# KiCad board microcontroller_mini.kicad_pcb
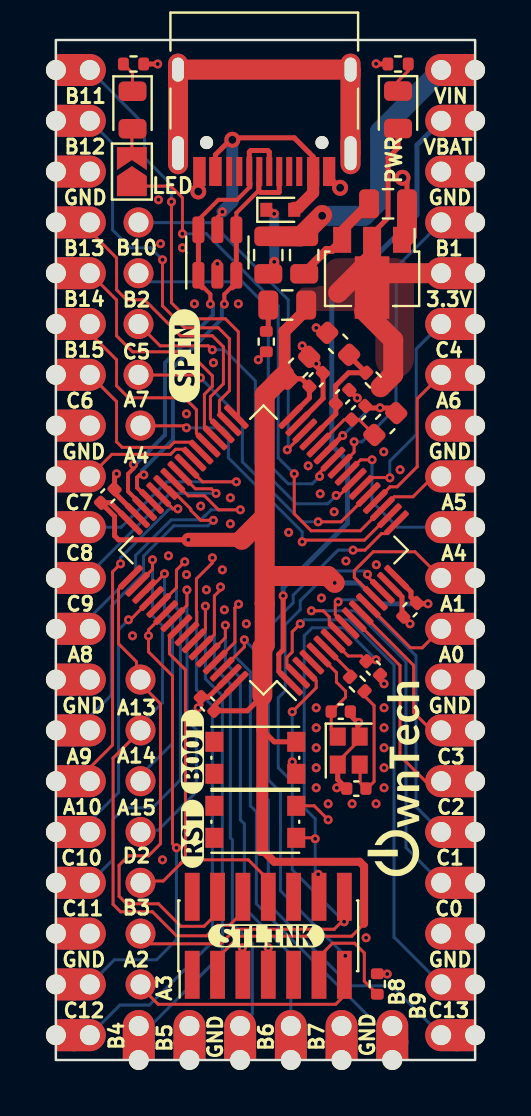
[diagram p0: board, top side]
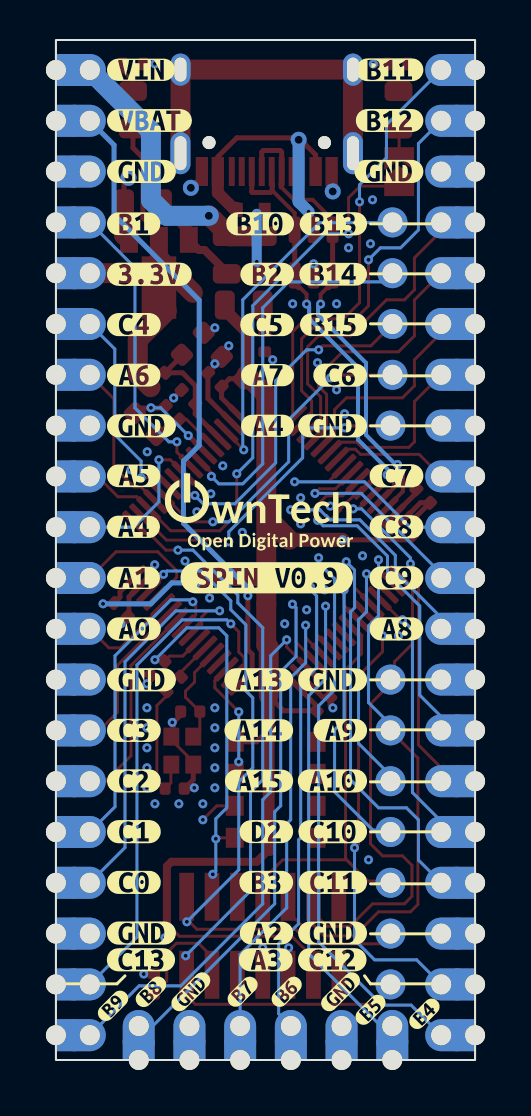
[diagram p1: board, bottom side, seen from below]

Outline 21 x 51 mm; copper layers: Top, In1.Cu, In2.Cu, Bottom. Coordinates in mm from the lower left corner of the outline.
Outline path: rectangle 0,51 21,0
Stack: Top 0.035mm / dielectric 0.1mm FR4 er 4.5 / In1.Cu 0.0175mm / dielectric 1.265mm FR4 er 4.5 / In2.Cu 0.0175mm / dielectric 0.1mm FR4 er 4.5 / Bottom 0.035mm

## Placement (name value [footprint] x y rotation side)
C3  12pF  [C_0402_1005Metric]  14.27 17.42 0 top
C4  12pF  [C_0402_1005Metric]  15.05 13.57 180 top
C5  100nF  [C_0402_1005Metric]  15.9 19.6 315 top
C6  4,7uF  [C_0603_1608Metric]  12.14 34.61 45 top
C7  100nF  [C_0402_1005Metric]  2.6 28.2 45 top
C8  100nF  [C_0402_1005Metric]  7.6 17.8 135 top
C9  100nF  [C_0402_1005Metric]  17.74 22.51 225 top
C10  100nF  [C_0402_1005Metric]  13.04 34.01 45 top
C12  1µF  [C_0603_1608Metric]  14.14 35.81 135 top
C14  10nF  [C_0402_1005Metric]  14.36 33.16 45 top
C39  10uF  [C_0805_2012Metric]  11.59 37.75 180 top
C40  10uF  [C_0805_2012Metric]  16.64 42.81 0 top
C41  1µF  [C_0603_1608Metric]  16.5 31.8 45 top
C42  100nF  [C_0402_1005Metric]  15.16 32.36 45 top
D1  1N4448  [D_SOD-523]  11.24 42.51 0 top
F1  350mA  [Fuse_0805_2012Metric]  12.44 40.25 90 top
F2  350mA  [Fuse_0805_2012Metric]  10.64 40.25 270 top
FB1  1000Ohm @ 100MHz  [R_0402_1005Metric]  15.9 34 315 top
G***  LOGO  [owntech_mini]  16.94 14.01 90 top
G***#2  LOGO  [owntech10mm]  10.84 27.41 180 bottom
J1  Conn_02x20_Top_Bottom  [RasberryPi Pico]  0 0 90 top
J2  USB_C_Receptacle_USB2.0  [USB_C_Receptacle_HRO_TYPE-C-31-M-12]  10.44 48.47 180 top
J8  FTSH-107-01-F-DV-K  [PinHeader_2x07_P1.27mm_Vertical_SMD]  10.64 6.21 90 top
J101  Conn_01x05_Male  [PinHeader_1x05_P2.54mm_Vertical]  4.14 31.72 180 top
J102  Conn_01x06_Male  [PinHeader_1x07_P2.54mm_Vertical]  4.24 19.02 0 top
JP1  SolderJumper_2_Bridged  [SolderJumper-2_P1.3mm_Open_TrianglePad1.0x1.5mm]  3.81 44.42 90 top
kibuzzard-62C86A6F  G***  [kibuzzard-62C86A6F]  2.54 2.31 135 bottom
kibuzzard-62C86A9B  G***  [kibuzzard-62C86A9B]  5.24 2.51 135 bottom
kibuzzard-62C86AA4  G***  [kibuzzard-62C86AA4]  14.24 3.41 135 bottom
kibuzzard-62C86AA4#2  G***  [kibuzzard-62C86AA4]  6.74 3.41 135 bottom
kibuzzard-62C86AAB  G***  [kibuzzard-62C86AAB]  9.44 3.41 135 bottom
kibuzzard-62C86AB2  G***  [kibuzzard-62C86AB2]  11.65 3.41 135 bottom
kibuzzard-62C86ABB  G***  [kibuzzard-62C86ABB]  16.24 3.41 135 bottom
kibuzzard-62C86AC0  G***  [kibuzzard-62C86AC0]  18.14 2.71 135 bottom
kibuzzard-62C863A5  G***  [kibuzzard-62C863A5]  4.28 46.97 180 bottom
kibuzzard-62C863AC  G***  [kibuzzard-62C863AC]  7.1 41.81 180 bottom
kibuzzard-62C863B3  G***  [kibuzzard-62C863B3]  10.77 41.81 180 bottom
kibuzzard-62C863BD  G***  [kibuzzard-62C863BD]  7.11 39.29 180 bottom
kibuzzard-62C863C4  G***  [kibuzzard-62C863C4]  10.41 39.29 180 bottom
kibuzzard-62C863D6  G***  [kibuzzard-62C863D6]  7.09 36.77 180 bottom
kibuzzard-62C863DD  G***  [kibuzzard-62C863DD]  10.42 36.77 180 bottom
kibuzzard-62C863E7  G***  [kibuzzard-62C863E7]  6.76 34.24 180 bottom
kibuzzard-62C863ED  G***  [kibuzzard-62C863ED]  10.4 34.24 180 bottom
kibuzzard-62C863F3  G***  [kibuzzard-62C863F3]  10.4 31.71 180 bottom
kibuzzard-62C863FB  G***  [kibuzzard-62C863FB]  3.94 29.21 180 bottom
kibuzzard-62C864F6  G***  [kibuzzard-62C864F6]  17.11 24.11 180 bottom
kibuzzard-62C8630E  G***  [kibuzzard-62C8630E]  16.31 46.97 180 bottom
kibuzzard-62C8632C  G***  [kibuzzard-62C8632C]  16.32 39.29 180 bottom
kibuzzard-62C8633C  G***  [kibuzzard-62C8633C]  17.1 34.24 180 bottom
kibuzzard-62C8635A  G***  [kibuzzard-62C8635A]  17.09 21.55 180 bottom
kibuzzard-62C8636A  G***  [kibuzzard-62C8636A]  17.09 13.95 180 bottom
kibuzzard-62C8637B  G***  [kibuzzard-62C8637B]  17.09 8.88 180 bottom
kibuzzard-62C8639B  G***  [kibuzzard-62C8639B]  4.28 49.51 180 bottom
kibuzzard-62C8640E  G***  [kibuzzard-62C8640E]  3.94 21.55 180 bottom
kibuzzard-62C8641D  G***  [kibuzzard-62C8641D]  10.84 16.48 180 bottom
kibuzzard-62C8642B  G***  [kibuzzard-62C8642B]  10.46 11.42 180 bottom
kibuzzard-62C8643D  G***  [kibuzzard-62C8643D]  10.49 5.01 180 bottom
kibuzzard-62C86036  G***  [kibuzzard-62C86036]  6.44 35.21 90 top
kibuzzard-62C86188  G***  [kibuzzard-62C86188]  10.44 24.11 180 bottom
kibuzzard-62C86242  G***  [kibuzzard-62C86242]  6.84 15.41 90 top
kibuzzard-62C86250  G***  [kibuzzard-62C86250]  6.84 11.31 90 top
kibuzzard-62C86302  G***  [kibuzzard-62C86302]  16.74 49.51 180 bottom
kibuzzard-62C86317  G***  [kibuzzard-62C86317]  7.14 6.35 180 bottom
kibuzzard-62C86317#2  G***  [kibuzzard-62C86317]  7.14 31.71 180 bottom
kibuzzard-62C86317#3  G***  [kibuzzard-62C86317]  16.71 19.01 180 bottom
kibuzzard-62C86317#4  G***  [kibuzzard-62C86317]  16.71 44.43 180 bottom
kibuzzard-62C86317#5  G***  [kibuzzard-62C86317]  16.71 6.35 180 bottom
kibuzzard-62C86317#6  G***  [kibuzzard-62C86317]  4.32 44.43 180 bottom
kibuzzard-62C86317#7  G***  [kibuzzard-62C86317]  16.71 31.71 180 bottom
kibuzzard-62C86317#8  G***  [kibuzzard-62C86317]  7.14 19.01 180 bottom
kibuzzard-62C86324  G***  [kibuzzard-62C86324]  17.1 41.81 180 bottom
kibuzzard-62C86335  G***  [kibuzzard-62C86335]  17.09 36.77 180 bottom
kibuzzard-62C86349  G***  [kibuzzard-62C86349]  17.1 29.21 180 bottom
kibuzzard-62C86353  G***  [kibuzzard-62C86353]  17.11 26.66 180 bottom
kibuzzard-62C86362  G***  [kibuzzard-62C86362]  17.09 16.48 180 bottom
kibuzzard-62C86371  G***  [kibuzzard-62C86371]  17.09 11.42 180 bottom
kibuzzard-62C86384  G***  [kibuzzard-62C86384]  16.74 5.01 180 bottom
kibuzzard-62C86401  G***  [kibuzzard-62C86401]  3.94 26.66 180 bottom
kibuzzard-62C86407  G***  [kibuzzard-62C86407]  3.94 24.11 180 bottom
kibuzzard-62C86415  G***  [kibuzzard-62C86415]  10.84 19.01 180 bottom
kibuzzard-62C86424  G***  [kibuzzard-62C86424]  10.82 13.95 180 bottom
kibuzzard-62C86431  G***  [kibuzzard-62C86431]  10.46 8.88 180 bottom
kibuzzard-62C86437  G***  [kibuzzard-62C86437]  10.45 6.35 180 bottom
kibuzzard-62C86450  G***  [kibuzzard-62C86450]  6.75 16.48 180 bottom
kibuzzard-62C86458  G***  [kibuzzard-62C86458]  7.15 13.95 180 bottom
kibuzzard-62C86461  G***  [kibuzzard-62C86461]  7.13 11.42 180 bottom
kibuzzard-62C86468  G***  [kibuzzard-62C86468]  7.13 8.88 180 bottom
kibuzzard-62C86470  G***  [kibuzzard-62C86470]  7.16 5.01 180 bottom
kibuzzard-62C87078  G***  [kibuzzard-62C87078]  10.54 6.21 0 top
LED1  LED  [LED_0805_2012Metric]  3.84 47.5 270 top
LED2  PWR  [LED_0805_2012Metric]  17.14 47.51 270 top
R1  1R  [R_0402_1005Metric]  10.54 35.92 90 top
R23  220  [R_0402_1005Metric]  15.1 18.8 135 top
R24  100  [R_0402_1005Metric]  16.1 3.8 270 top
R26  330  [R_0402_1005Metric]  17.14 49.8 180 top
R28  330  [R_0402_1005Metric]  3.89 49.8 0 top
SW1  KMR241NGLFS  [SW_Push_1P1T_NO_CK_KMR2#2]  9.99 11.91 0 top
SW2  KMR241NGLFS  [SW_Push_1P1T_NO_CK_KMR2]  9.99 15.11 180 top
U1  STM32G474RE  [LQFP-64_10x10mm_P0.5mm]  10.4 25.5 135 top
U3  WE-TVS-82400102  [SOT-23-6]  8.09 40.37 90 top
U4  AZ1117-33  [SOT-89-3]  15.84 39.36 270 top
Y1  ECS-240-8-37-CKM-TR3   - 24MHz  [Crystal_SMD_2016-4Pin_2.0x1.6mm]  14.67 15.47 270 top

## Library data of the parts
C3 C4 = -: Footprint-BOM: 0402; LCSC: C1547; Manf#: C0805C120K5HACTU
C5 C7-C10 C42 = -: Footprint-BOM: 0402; LCSC: C1525; Manf#: CC0805KRX7R9BB104
C6 = -: Footprint-BOM: 0603; LCSC: C19666; Manf#: CGA4J1X7R1H475K125AE
C12 C41 = -: Footprint-BOM: 0603; LCSC: C15849; Manf#: CL21B105KBFNFNE
C14 = -: Footprint-BOM: 0402; LCSC: C15195; Manf#: C0805X103K5RAC3316
C39 C40 = -: Footprint-BOM: 0805; LCSC: C15850; Manf#: CL32B106KBJZW6E
D1 = -: Footprint-BOM: SOD523; Manf#: 1N4448X-TP
F1 F2 = -: Footprint-BOM: 0805; Manf#: 0ZCK0035FF2G
FB1 = -: Footprint-BOM: 0402; Manf#: ILBB0805ER101V
J1 = -: DNP: x; Manf#: DNP; Name: Board Castellated Holes
J2 = -: LCSC: C165948; Manf#: USB4105-GF-A-120
J8 = -: Manf#: FTSH-107-01-F-DV-K; Name: STLink
J101 J102 JP1 = -: DNP: x; Manf#: DNP
LED1 LED2 = -: Footprint-BOM: 0805; LCSC: C84256; Manf#: 150080RS75000
R1 R24 = -: Footprint-BOM: 0402; LCSC: C25076; Manf#: CR0805-FX-1000ELF
R23 = -: Footprint-BOM: 0402; LCSC: C25091; Manf#: CRCW0805220RFKEAC
R26 R28 = -: Footprint-BOM: 0402; LCSC: C25104; Manf#: CRCW0805330RFKEAC
SW1 = -: Name: RST; Field6: RST
SW2 = -: Name: BOOT; Field6: BOOT
U1 = -: Footprint-BOM: LQFP-64; Manf#: STM32G474RET6
U3 = -: Footprint-BOM: SOT23-6; Manf#: 82400102
U4 = -: Footprint-BOM: SOT89-3; LCSC: C6186; Manf#: AZ1117CR-3.3TRG1; Field7: LDO
Y1 = -: Footprint-BOM: 2016; Manf#: ECS-240-8-37-CKM-TR3

## Footprints (pads in the part's own frame, mm; a bottom-side part is the same pattern mirrored in y, then rotated)
C_0402_1005Metric
  rrect 0.56x0.62 smd: 1(-0.48,0) 2(0.48,0)
C_0603_1608Metric
  rrect 0.9x0.95 smd: 1(-0.775,0) 2(0.775,0)
C_0805_2012Metric
  rrect 1x1.45 smd: 1(-0.95,0) 2(0.95,0)
Crystal_SMD_2016-4Pin_2.0x1.6mm
  rect 0.9x0.8 smd: 1(-0.7,-0.55) 2(0.7,-0.55) 3(0.7,0.55) 4(-0.7,0.55)
D_SOD-523
  rect 0.6x0.7 smd: 1(-0.7,0) 2(0.7,0)
Fuse_0805_2012Metric
  rrect 0.975x1.4 smd: 1(-0.938,0) 2(0.938,0)
LED_0805_2012Metric
  rrect 0.975x1.4 smd: 1(-0.938,0) 2(0.938,0)
LQFP-64_10x10mm_P0.5mm
  rrect 1.55x0.3 smd: 1(-5.675,3.75) 2(-5.675,3.25) 3(-5.675,2.75) 4(-5.675,2.25) 5(-5.675,1.75) 6(-5.675,1.25) 7(-5.675,0.75) 8(-5.675,0.25) 9(-5.675,-0.25) 10(-5.675,-0.75) 11(-5.675,-1.25) 12(-5.675,-1.75) 13(-5.675,-2.25) 14(-5.675,-2.75) 15(-5.675,-3.25) 16(-5.675,-3.75) 33(5.675,-3.75) 34(5.675,-3.25) 35(5.675,-2.75) 36(5.675,-2.25) 37(5.675,-1.75) 38(5.675,-1.25) 39(5.675,-0.75) 40(5.675,-0.25) 41(5.675,0.25) 42(5.675,0.75) 43(5.675,1.25) 44(5.675,1.75) 45(5.675,2.25) 46(5.675,2.75) 47(5.675,3.25) 48(5.675,3.75)
  rrect 0.3x1.55 smd: 17(-3.75,-5.675) 18(-3.25,-5.675) 19(-2.75,-5.675) 20(-2.25,-5.675) 21(-1.75,-5.675) 22(-1.25,-5.675) 23(-0.75,-5.675) 24(-0.25,-5.675) 25(0.25,-5.675) 26(0.75,-5.675) 27(1.25,-5.675) 28(1.75,-5.675) 29(2.25,-5.675) 30(2.75,-5.675) 31(3.25,-5.675) 32(3.75,-5.675) 49(3.75,5.675) 50(3.25,5.675) 51(2.75,5.675) 52(2.25,5.675) 53(1.75,5.675) 54(1.25,5.675) 55(0.75,5.675) 56(0.25,5.675) 57(-0.25,5.675) 58(-0.75,5.675) 59(-1.25,5.675) 60(-1.75,5.675) 61(-2.25,5.675) 62(-2.75,5.675) 63(-3.25,5.675) 64(-3.75,5.675)
PinHeader_1x05_P2.54mm_Vertical
  round 1.5 hole 1: 1(-0.1,0) 2(0,-2.54) 3(0,-5.08) 4(0,-7.62) 5(0,-10.16)
PinHeader_1x07_P2.54mm_Vertical
  round 1.5 hole 1: 1(0,0) 2(0,-2.54) 3(0,-5.08) 4(0,-7.62) 5(0,-10.16) 6(0,-12.7) 7(0,-15.24)
PinHeader_2x07_P1.27mm_Vertical_SMD
  rect 2.4x0.74 smd: 1(-1.95,3.81) 2(1.95,3.81) 3(-1.95,2.54) 4(1.95,2.54) 5(-1.95,1.27) 6(1.95,1.27) 7(-1.95,0) 8(1.95,0) 9(-1.95,-1.27) 10(1.95,-1.27) 11(-1.95,-2.54) 12(1.95,-2.54) 13(-1.95,-3.81) 14(1.95,-3.81)
R_0402_1005Metric
  rrect 0.54x0.64 smd: 1(-0.51,0) 2(0.51,0)
RasberryPi Pico
  rect 1.6x1 hole 1: 1(49.5,0) 2(46.96,0) 3(44.42,0) 4(41.88,0) 5(39.34,0) 6(36.8,0) 7(34.26,0) 8(31.72,0) 9(29.18,0) 10(26.64,0) 11(24.1,0) 12(21.56,0) 13(19.02,0) 14(16.48,0) 15(13.94,0) 16(11.4,0) 17(8.86,0) 18(6.32,0) 19(3.78,0) 20(1.24,0) 27(1.24,-21) 28(3.78,-21) 29(6.32,-21) 30(8.86,-21) 31(11.4,-21) 32(13.94,-21) 33(16.48,-21) 34(19.02,-21) 35(21.56,-21) 36(24.1,-21) 37(26.64,-21) 38(29.18,-21) 39(31.72,-21) 40(34.26,-21) 41(36.8,-21) 42(39.34,-21) 43(41.88,-21) 44(44.42,-21) 45(46.96,-21) 46(49.5,-21)
  oval 1.6x2.4 hole 1: 1(49.5,-1.7) 2(46.96,-1.7) 3(44.42,-1.7) 4(41.88,-1.7) 5(39.34,-1.7) 6(36.8,-1.7) 7(34.26,-1.7) 8(31.72,-1.7) 9(29.18,-1.7) 10(26.64,-1.7) 11(24.1,-1.7) 12(21.56,-1.7) 13(19.02,-1.7) 14(16.48,-1.7) 15(13.94,-1.7) 16(11.4,-1.7) 17(8.86,-1.7) 18(6.32,-1.7) 19(3.78,-1.7) 20(1.24,-1.7) 27(1.24,-19.3) 28(3.78,-19.3) 29(6.32,-19.3) 30(8.86,-19.3) 31(11.4,-19.3) 32(13.94,-19.3) 33(16.48,-19.3) 34(19.02,-19.3) 35(21.56,-19.3) 36(24.1,-19.3) 37(26.64,-19.3) 38(29.18,-19.3) 39(31.72,-19.3) 40(34.26,-19.3) 41(36.8,-19.3) 42(39.34,-19.3) 43(41.88,-19.3) 44(44.42,-19.3) 45(46.96,-19.3) 46(49.5,-19.3)
  rect 1x1.6 hole 1: 21(0,-4.15) 22(0,-6.69) 23(0,-9.23) 24(0,-11.77) 25(0,-14.31) 26(0,-16.85)
  oval 2.4x1.6 hole 1: 21(1.7,-4.15) 22(1.7,-6.69) 23(1.7,-9.23) 24(1.7,-11.77) 25(1.7,-14.31) 26(1.7,-16.85)
SolderJumper-2_P1.3mm_Open_TrianglePad1.0x1.5mm
  custom 1.5x1.5 smd: 1(-0.725,0)
  custom 1.15x1.5 smd: 2(0.725,0)
SOT-23-6
  rrect 1.325x0.6 smd: 1(-1.137,0.95) 2(-1.137,0) 3(-1.137,-0.95) 4(1.137,-0.95) 5(1.137,0) 6(1.137,0.95)
SOT-89-3
  rect 1.3x0.9 smd: 1(-1.65,1.5) 3(-1.65,-1.5)
  custom 4.6x1.733 smd: 2(-1.562,0)
SW_Push_1P1T_NO_CK_KMR2
  rect 0.9x1 smd: 1(-2.05,0.8) 2(-2.05,-0.8) 3(2.05,-0.8) 4(2.05,0.8)
SW_Push_1P1T_NO_CK_KMR2#2
  rect 0.9x1 smd: 1(2.05,0.8) 2(2.05,-0.8) 3(-2.05,-0.8) 4(-2.05,0.8)
USB_C_Receptacle_HRO_TYPE-C-31-M-12
  round 0.65 hole 0.65 unplated: (-2.89,2.6) (2.89,2.6)
  rect 0.6x1.45 smd: A1(-3.25,4.045) A4(-2.45,4.045) A9(2.45,4.045) A12(3.25,4.045) B1(3.25,4.045) B4(2.45,4.045) B9(-2.45,4.045) B12(-3.25,4.045)
  rect 0.3x1.45 smd: A5(-1.25,4.045) A6(-0.25,4.045) A7(0.25,4.045) A8(1.25,4.045) B5(1.75,4.045) B6(0.75,4.045) B7(-0.75,4.045) B8(-1.75,4.045)
  oval 1x2.1 hole 0.6x1.7: S1(-4.32,3.13) S1(4.32,3.13)
  oval 1x1.6 hole 0.6x1.2: S1(-4.32,-1.05) S1(4.32,-1.05)

## Nets
+3.3VA: C12.1 C14.1 FB1.1 U1.29
+3V3: C6.1 C7.1 C8.1 C9.1 C10.1 C39.1 FB1.2 J1.42 J8.3 LED2.2 SW2.2 U1.16 U1.32 U1.48 U1.64 U4.2
+5VD: F1.2 F2.1 J1.46
GNDD: C3.2 C4.2 C5.2 C6.2 C7.2 C8.2 C9.2 C10.2 C12.2 C14.2 C40.2 C41.2 C42.2 J1.3 J1.8 J1.13 J1.18 J1.22 J1.25 J1.29 J1.34 J1.39 J1.44 J2.A1 J2.A12 J2.B1 J2.B12 J8.5 J8.7 R1.1 R24.1 R26.2 R28.2 SW1.1 U1.15 U1.27 U1.31 U1.47 U1.63 U3.2 U4.1 Y1.2 Y1.4
VBUS: D1.2 J2.A4 J2.A9 J2.B4 J2.B9 U3.5
+BATT: J1.45 U1.1
/HSE_IN: C3.1 U1.5 Y1.1
/HSE_OUT: R23.2 U1.6
/NRST: C5.1 J8.12 SW1.2 U1.7
/VREF2048: C41.1 C42.1 U1.28
Earth_Protective: J2.S1
PA0: J1.35 U1.12
PA1: J1.36 U1.13
PA2: J8.14 J102.6 U1.14
PA3: J8.13 J102.7 U1.17
PA4: J101.1 U1.18
PA5: J1.38 JP1.1 U1.19
PA6: J1.40 U1.20
PA7: J101.2 U1.21
PA8: J1.12 U1.42
PA9: J1.14 U1.43
PA10: J1.15 U1.44
PA13: J8.4 J102.1 U1.49
PA14: J8.6 J102.2 U1.50
PA15: J102.3 U1.51
PB0: J1.37 U1.24
PB1: J1.43 U1.25
PB2: J101.4 U1.26
PB3: J8.8 J102.5 U1.56
PB4: J1.20 U1.57
PB5: J1.21 U1.58
PB6: J1.23 U1.59
PB7: J1.24 U1.60
PB8: J1.26 U1.61
PB9: J1.27 U1.62
PB10: J101.5 U1.30
PB11: J1.1 U1.33
PB12: J1.2 U1.34
PB13: J1.4 U1.35
PB14: J1.5 U1.36
PB15: J1.6 U1.37
PC0: J1.30 U1.8
PC1: J1.31 U1.9
PC2: J1.32 U1.10
PC3: J1.33 U1.11
PC4: J1.41 U1.22
PC5: J101.3 U1.23
PC6: J1.7 U1.38
PC7: J1.9 U1.39
PC8: J1.10 U1.40
PC9: J1.11 U1.41
PC10: J1.16 U1.52
PC11: J1.17 U1.53
PC12: J1.19 U1.54
PC13: J1.28 U1.2
PC14: SW2.1 U1.3
PD2: J102.4 U1.55
USB_D+: J2.A6 J2.B6 U1.46 U3.1 U3.6
USB_D-: J2.A7 J2.B7 U1.45 U3.3 U3.4
Net-(C4-Pad1): C4.1 R23.1 Y1.3
Net-(C39-Pad2): C39.2 R1.2
Net-(C40-Pad1): C40.1 F1.1 U4.3
Net-(D1-Pad1): D1.1 F2.2
Net-(J8-Pad11): J8.11 R24.2
Net-(JP1-Pad2): JP1.2 LED1.2
Net-(LED1-Pad1): LED1.1 R28.1
Net-(LED2-Pad1): LED2.1 R26.1

Pads without a net: J2 A5 A8 B5 B8; J8 1 2 9 10; SW1 3 4; SW2 3 4; U1 4

## Via types
v1: diameter 0.45, hole 0.2, Top to Bottom, 119 vias
v2: diameter 0.8, hole 0.4, Top to Bottom, 5 vias

## Routing (per net, layer and track width the routed paths; a pad name or vN(x,y) marks a point on that pad's centre or on a via; arc(x,y) is an arc through that point)
+3.3VA: length 6.3
  Top w0.25: 14.8,35.4 14.8,35.1 FB1.1 14.66,34.36 14.02,33.72 14.02,32.83 C14.1 14.02,32.3 U1.29
+3V3: length 95.8
  Top w0.15: 8.1,4.05 8.1,5.1 9.18,6.19 14.82,6.19 15.44,6.81
  Top w0.25: 10.34,16.51 10.94,15.91 SW2.2 ; 12.74,33.63 12.31,34.06 C6.1 ; FB1.2 16.54,33.64 16.9,34 ; U1.48 2.74,27.86 C7.1 2.94,27.18 2.94,26.21 3.14,26.01 v1(6.64,26.01) ; v1(18.64,22.81) 18.12,22.81 C9.1 17.79,23.14 17.79,23.41 U1.16 ; U4.2 15.84,41.31 16.64,42.11 16.64,45.11 17.14,45.61 LED2.2 16.91,46.57 16.72,46.38 ; U1.32 12.7,33.1 C10.1 ; 10.34,18.21 9.59,17.46 C8.1 7.94,17.71 9.04,18.81 U1.64
  Top w0.4: 10.24,10.41 10.44,10.41 10.94,9.91 15.22,9.91 15.44,9.69 15.44,6.81
  Top w0.6: 12.54,37.91 12.54,37.51 11.45,36.42 11.45,34.25 ; 10.34,18.21 10.34,10.51
  Top w0.7: 9.31,26.01 v1(6.64,26.01)
  Top w1: 10.3,27 9.31,26.01 ; 11.12,33.92 11.29,34.09 ; 11.12,33.92 10.46,33.26 10.46,22.83 10.46,22.82 10.46,20.75 10.34,20.63 10.34,18.21 ; 11.12,33.92 11.45,34.25 ; FB1.2 16.9,34.28 16.9,36 15.44,37.46 ; 14.14,38.36 15.74,39.96 ; v1(13.97,23.86) 13.62,24.2 10.7,24.2 ; J1.42 16.15,39.34
  Bottom w0.25: v1(13.97,23.86) 15.19,23.86 16.24,22.81 v1(18.64,22.81)
+5VD: length 14
  Top w1: 13.34,42.25 12.28,41.19 10.8,41.19
  Bottom w1: J1.46 16.24,46.44 16.24,43 15.45,42.21 v2(13.34,42.21)
GNDD: length 66.7
  Top w0.15: v1(13.64,12.01) 12.94,12.71 SW1.1 ; 14.24,14.43 14.12,14.55 Y1.2 14.12,14.91 15.22,16.01 Y1.4 ; R1.1 v1(10.14,35.01)
  Top w0.25: C14.2 v1(15.1,33.1) ; 14.07,13.59 14.09,13.57 C4.2 14.12,14.02 Y1.2 ; v1(16.04,49.81) 16.05,49.8 R26.2 ; C40.2 17.59,43.88 v2(17.36,44.11) ; C6.2 12.4,35.44 ; C42.2 15.6,32.6 16.8,32.6 C41.2 ; v1(12.34,35.71) 12.26,35.63 12.26,35.63 ; Y1.4 15.12,16.27 15.12,16.87 14.75,17.24 C3.2 ; 10.64,4.05 v1(10.64,5.61) ; U1.47 2.94,28.36 C7.2 2.94,29.21 v1(3.04,29.31) ; 13.28,34.45 13.04,34.69 v1(13.04,34.81) ; U3.2 v1(8.09,39.81) ; U1.31 13.38,33.08 13.38,34.34 C10.2 ; 9.37,4.05 9.37,5.58 v1(9.34,5.61) ; 13.7,36.5 13.15,36.5 v1(13.04,36.61) ; 13.69,44.43 13.69,44.16 v2(14.24,43.61) ; v1(16.6,4.3) 16.59,4.31 R24.1 ; v1(14.37,31.22) 14.35,31.22 U1.27 ; U1.63 7.64,18.14 C8.2 7.26,17.74 v1(7.13,17.61) ; v1(5.1,49.8) R28.2 ; v1(17.74,21.81) 17.74,21.83 C9.2 17.34,22.23 17.34,23.16 U1.15 ; C5.2 16.24,19.01 v1(16.44,18.81) ; 7.19,44.43 7.19,43.48 v2(7.13,43.43)
  Top w1: C40.2 17.59,41.26 U4.1
  In1.Cu w0.4: 15.51,17.4 15.62,17.51 15.89,17.51 15.89,13.56 15.74,13.41 14.03,13.41 13.87,13.57 13.87,12.84 13.84,12.81
  In1.Cu w0.5: 14.05,17.4 14.64,16.81 ; 15.24,13.81 15.04,13.61 14.04,13.61 14.04,13.81 14.24,14.01 14.64,14.01
  In1.Cu w0.6: 13.87,17.38 13.87,13.57 15,13.57 15.24,13.81 15.24,17.13 15.51,17.4 13.85,17.4 13.87,17.38
  In1.Cu w0.7: 15.24,17.13 15.44,17.33 15.44,13.61 v1(14.07,13.61)
  In1.Cu w1: 14.64,14.01 14.64,16.81
  Bottom w0.15: v1(16.24,32.61) 15.76,32.61 v1(14.37,31.22)
  vias: v1(3.84,21.21) v1(5.14,43.01) v1(5.24,40.81) v1(5.34,10.01) v1(5.64,25.21) v1(6.34,40.61) v1(6.54,32.31) v1(6.54,24.27) v1(6.94,37.81) v1(6.94,33.51) v1(7.25,27.69) v1(7.54,23.51) v1(7.89,34.86) v1(8.34,24.51) v1(8.44,22.51) v1(8.74,28.11) v1(8.74,26.81) v1(9.14,37.81) v1(9.54,21.81) v1(11.66,26.38) v1(12.64,29.71) v1(13.04,17.61) v1(13.04,16.61) v1(13.04,15.61) v1(13.04,14.61) v1(13.04,13.61) v1(13.24,28.31) v1(13.3,23.1) v1(13.64,12.81) v1(13.94,27.41) v1(14.53,24.95) v1(14.84,12.81) v1(15.17,16.88) v1(15.54,6.11) v1(16.05,24.76) v1(16.04,12.81) v1(16.43,30.41) v1(16.44,17.61) v1(16.44,16.61) v1(16.44,15.61) v1(16.44,14.61) v1(16.44,13.61) v1(17.24,29.51)
VBUS: length 14.4
  Top w0.15: U3.5 8.09,42.16 v1(8.34,42.41)
  Top w0.25: 7.99,44.43 7.99,45.26 8.84,46.11 11.94,46.11 12.89,45.16 12.89,44.43
  Top w0.6: 11.94,42.61 12.14,42.61 12.89,43.36 12.89,44.43
  Bottom w0.6: v2(8.84,46.01) 8.84,42.91 v1(8.34,42.41)
+BATT: length 33
  Top w0.25: 11.3,19.3 11.76,18.84 U1.1 11.17,19.43 11.17,20.29 11.38,20.51 v1(11.38,23.21)
  Bottom w0.25: J1.45 18.09,45.75 18.09,42.26 13.82,37.99 13.82,30.73 14.61,29.94 14.61,26.84 11.38,23.61 v1(11.38,23.21)
/HSE_IN: length 5.1
  Top w0.15: Y1.1 13.79,16.5 C3.1 14.51,18.14 14.51,18.44 14.05,18.9 14.05,19.37 U1.5
/HSE_OUT: length 1.9
  Top w0.15: U1.6 14.74,19.39 R23.2
/NRST: length 21.6
  Top w0.15: SW1.2 12.94,11.11 v1(12.99,11.06) ; U1.7 14.64,20.2 15.3,20.2 C5.1 15.63,20.01 v1(16.04,20.01) ; v1(13.14,9.29) 13.14,7.99 13.18,7.95
  Bottom w0.15: v1(13.14,9.29) 12.99,9.44 v1(12.99,11.06) 12.99,12.06 12.44,12.61 12.44,21.21 12.84,21.61 14.44,21.61 v1(16.04,20.01)
/VREF2048: length 3.6
  Top w0.15: C41.1 15.18,32.02 C42.1 14.45,32.02 U1.28
Earth_Protective: length 17
  Top w1: J2.S1 J2.S1 J2.S1 J2.S1
PA0: length 4.9
  Top w0.15: J1.35 18.35,20.61 17.76,20.61 U1.12
PA1: length 7.1
  Top w0.15: U1.13 14.95,24.13 14.95,24.47 15.9,25.41 17.99,25.41 J1.36
PA2: length 35.2
  Top w0.15: v1(15.61,24.28) 15.61,24.18 U1.14 ; v1(14.44,6.91) 14.31,6.91 13.94,6.54 8.99,6.54 8.26,5.81 4.64,5.81 4.14,6.31 ; 14.45,7.95 14.45,6.92
  Bottom w0.15: v1(15.61,24.28) 15.44,24.45 13.73,24.45 12.24,22.96 12.24,22.52 11.49,21.76 11.49,18.46 11.14,18.11 11.14,14.61 11.84,13.91 11.84,9.51 v1(14.44,6.91) 14.54,6.81
PA3: length 39.9
  Top w0.15: 14.45,4.05 14.45,5.16 v1(14.5,5.21) ; 4.14,3.77 5.12,2.79 14.01,2.79 14.45,3.22 14.45,4.21 ; v1(14.88,25.49) 15.48,25.49 16.31,26.32 16.52,26.32 U1.17
  Bottom w0.15: v1(14.88,25.49) 14.14,25.49 11.89,23.24 11.89,22.86 10.64,21.61 10.64,14.01 11.25,13.4 11.25,8.46 v1(14.5,5.21)
PA4: length 16.5
  Top w0.15: U1.18 16.68,27.21 15.46,25.99 12.42,25.99 v1(12.34,25.91) ; v1(6.54,31.61) 6.44,31.71 4.14,31.71
  Bottom w0.15: v1(12.34,25.91) 12.34,26.41 8.64,30.11 8.64,31.31 8.34,31.61 v1(6.54,31.61)
PA5: length 30.4
  Top w0.15: J1.38 18.91,29.18 17.89,28.16 16.95,28.16 U1.19 15.25,26.46 12.79,26.46 11.94,27.31 v1(11.94,29.31) ; v1(6.34,41.31) 6.34,43.11 5.75,43.7 JP1.1
  Bottom w0.15: v1(6.34,41.31) 7.54,41.31 11.14,37.71 11.14,30.11 v1(11.94,29.31)
PA6: length 7.9
  Top w0.15: U1.20 16.74,28.66 17.09,28.66 18.1,29.66 18.1,33.06 J1.40
PA7: length 16.3
  Top w0.15: v1(7.24,34.11) 7.1,34.25 4.14,34.25 ; U1.21 14.28,26.91 v1(13.14,26.91)
  Bottom w0.15: v1(7.24,34.11) 9.34,32.01 9.34,29.91 12.34,26.91 v1(13.14,26.91)
PA8: length 14.8
  Top w0.15: v1(9.24,27.51) 8.15,27.51 7.45,28.21 6.63,28.21 U1.42
  Bottom w0.15: J1.12 1.7,22.12 4,24.42 4,25.23 5.77,27.01 7.25,27.01 7.45,27.21 7.48,27.21 7.77,27.5 7.77,27.51 v1(9.24,27.51)
PA9: length 17.2
  Top w0.15: U1.43 5.68,28.63 6.76,27.55 6.76,27.49 7.26,26.99 v1(7.89,26.99)
  Bottom w0.15: v1(7.89,26.99) 7.61,26.71 5.9,26.71 4.39,25.2 4.39,24.32 2.77,22.7 2.77,18.25 1.7,17.17 J1.14
PA10: length 17
  Top w0.15: J1.15 1.7,14.61 2.84,15.75 2.84,24.41 v1(3.24,24.81) ; v1(6.11,27.56) 5.87,27.56 U1.44
  Bottom w0.15: v1(6.11,27.56) 5.69,27.56 3.24,25.11 v1(3.24,24.81)
PA13: length 24.8
  Top w0.15: 4.04,19.11 4.04,19.91 3.14,20.81 3.14,23.54 U1.49 ; 4.04,19.01 5.24,17.81 5.24,10.81 4.64,10.21 3.64,10.21 3.16,9.74 3.16,8.18 3.54,7.81 5.14,7.81 6.26,6.69 7.42,6.69 8.1,7.36 8.1,7.95
PA14: length 28.2
  Top w0.15: 9.37,7.95 9.37,7.41 8.69,6.74 8.08,6.74 7.56,6.21 6.04,6.21 4.84,7.41 3.24,7.41 2.86,7.78 2.86,15.1 4.24,16.47 ; U1.50 4.84,24.54 v1(4.84,25.01)
  Bottom w0.15: 4.04,16.57 5.34,17.87 5.34,21.71 4.84,22.21 v1(4.84,25.01)
PA15: length 12.6
  Top w0.15: U1.51 4.56,23.43 v1(5.44,24.31)
  Bottom w0.15: 4.04,14.03 5.84,15.83 5.84,22.01 5.44,22.41 v1(5.44,24.31)
PB0: length 7.6
  Top w0.15: U1.24 15.26,30.01 v1(15.84,30.01)
  Bottom w0.15: J1.37 17.11,26.64 15.84,27.91 v1(15.84,30.01)
PB1: length 14.5
  Top w0.15: v1(14.94,30.91) 14.94,30.39 U1.25
  Bottom w0.15: v1(14.94,30.91) 15.34,30.91 17.04,32.61 17.04,39.62 J1.43
PB2: length 19.3
  Top w0.15: U1.26 13.21,29.37 v1(13.21,29.18)
  Bottom w0.15: v1(13.21,29.18) 12.84,28.81 11.64,28.81 10.64,29.81 10.64,37.61 9.34,38.91 4.56,38.91 4.14,39.33
PB3: length 21.6
  Top w0.15: 4.04,8.95 5.38,8.95 6.24,9.81 ; 4.04,8.95 4.18,8.95 ; 4.04,8.95 4.44,8.95 ; 6.24,9.81 6.44,10.01 9.64,10.01 10.64,9.01 10.64,7.95 ; 6.24,9.81 6.49,10.06 6.49,19.51 5.69,20.31 5.69,21.14 U1.56
PB4: length 32.3
  Top w0.15: v1(7.84,25.11) 7.84,24.86 7.04,24.06 7.04,22.44 7.06,22.42 7.06,21.8 U1.57
  Bottom w0.15: J1.20 3.21,2.75 4.67,2.75 7.84,5.91 7.84,17.71 7.04,18.51 7.04,24.06 7.84,24.86 v1(7.84,25.11)
PB5: length 25.4
  Top w0.15: U1.58 7.49,21.53 v1(7.49,22.69)
  Bottom w0.15: J1.21 4.73,1.7 8.34,5.31 8.34,18.21 7.49,19.06 v1(7.49,22.69)
PB6: length 26.6
  Top w0.15: U1.59 7.94,21.27 7.94,23.2 8.25,23.51 v1(8.25,23.65)
  Bottom w0.15: v1(8.25,23.65) 8.25,23.51 7.94,23.2 7.94,19.61 8.74,18.81 8.74,11.11 8.84,11.01 8.84,6.81 9.84,5.82 9.84,2.31 J1.23
PB7: length 23.2
  Top w0.15: v1(8.49,21.74) 8.49,21.11 U1.60
  Bottom w0.15: J1.24 11.77,5.28 9.44,7.61 9.44,11.81 9.24,12.01 9.24,19.11 8.49,19.86 v1(8.49,21.74)
PB8: length 28.2
  Top w0.15: U1.61 8.97,20.89 8.97,22.61 v1(9.15,22.79)
  Bottom w0.15: J1.26 16.15,1.7 10.04,7.81 10.04,12.41 9.74,12.71 9.74,19.41 8.97,20.18 8.97,22.61 v1(9.15,22.79)
PB9: length 27
  Top w0.15: v1(9.44,21.01) 9.44,20.65 U1.62
  Bottom w0.15: v1(9.44,21.01) 10.24,20.21 10.24,13.41 10.64,13.01 10.64,7.81 14.74,3.71 16.83,3.71 J1.27
PB10: length 17.9
  Top w0.15: v1(11.59,30.51) 12.47,31.39 U1.30
  Bottom w0.15: v1(11.59,30.51) 11.64,30.56 11.64,38.01 7.78,41.87 4.14,41.87
PB11: length 21.6
  Top w0.15: v1(5.79,42.91) 5.79,37.86 6.59,37.06 8.49,37.06 9.14,36.41 9.14,32.26 U1.33
  Bottom w0.15: v1(5.79,42.91) 5.79,43.76 4.44,45.11 4.44,46.76 J1.1
PB12: length 20
  Top w0.15: v1(5.34,40.01) 5.34,37.71 6.44,36.61 8.14,36.61 8.69,36.06 8.69,33.46 8.19,32.96 8.19,32.3 U1.34
  Bottom w0.15: J1.2 2.84,45.82 2.84,41.5 3.73,40.61 4.74,40.61 v1(5.34,40.01)
PB13: length 15.2
  Top w0.15: J1.4 1.7,41.44 3.04,40.1 3.04,38.51 3.54,38.01 4.44,38.01 6.24,36.21 7.84,36.21 8.39,35.66 8.39,33.81 7.74,33.16 7.74,32.05 U1.35
PB14: length 12.8
  Top w0.15: U1.36 7.44,31.64 7.44,33.28 7.84,33.68 7.84,34.21 6.64,35.41 3.84,35.41 3.04,36.21 3.04,38 J1.5
PB15: length 10.1
  Top w0.15: J1.6 1.7,36.35 3.04,35.01 3.04,33.71 3.64,33.11 6.45,33.11 7.04,32.52 7.04,31.34 U1.37
PC0: length 19.7
  Top w0.15: v1(12.8,22.46) 13.39,22.46 13.7,22.15 13.7,21.85 U1.8
  Bottom w0.15: v1(12.8,22.46) 14.99,22.46 17.54,19.91 17.54,10.62 J1.30
PC1: length 16
  Top w0.15: U1.9 14,22.26 14,22.77 v1(14.14,22.91)
  Bottom w0.15: J1.31 18.04,12.66 18.04,20.21 15.24,23.01 14.24,23.01 v1(14.14,22.91)
PC2: length 10.3
  Top w0.15: J1.32 18.51,13.94 17.24,15.21 17.24,19.72 U1.10
PC3: length 7.8
  Top w0.15: U1.11 15.3,22.35 17.92,19.73 17.92,17.38 18.82,16.48 J1.33
PC4: length 10.4
  Top w0.15: U1.22 15.79,29.12 16.71,29.12 v1(16.73,29.11)
  Bottom w0.15: J1.41 18.05,35.55 18.05,31.27 16.73,29.95 v1(16.73,29.11)
PC5: length 17.4
  Top w0.15: 4.14,36.79 5.22,35.71 7.64,35.71 v1(7.83,35.51) ; v1(14.04,28.23) 14.19,28.23 U1.23
  Bottom w0.15: v1(7.83,35.51) 8.44,35.51 9.99,33.96 9.99,29.86 12.04,27.81 13.62,27.81 v1(14.04,28.23)
PC6: length 8.6
  Top w0.15: U1.38 6.78,30.89 5.93,30.89 5.67,30.63 3.32,30.63 3.04,30.91 3.04,32.92 J1.7
PC7: length 6
  Top w0.15: U1.39 6.42,30.54 6,30.54 5.74,30.28 2.8,30.28 J1.9
PC8: length 11.1
  Top w0.15: U1.40 7.34,28.91 v1(9.04,28.91)
  Bottom w0.15: v1(9.04,28.91) 5.54,28.91 3.27,26.64 J1.10
PC9: length 10.4
  Top w0.15: U1.41 6.99,28.56 7.79,28.56 v1(8.02,28.33)
  Bottom w0.15: J1.11 1.7,24.32 5.71,28.33 v1(8.02,28.33)
PC10: length 13
  Top w0.15: U1.52 3.73,22.01 v1(3.64,22.01)
  Bottom w0.15: v1(3.64,22.01) 3.14,21.51 3.14,13.37 1.7,11.94 J1.16
PC11: length 21.7
  Top w0.15: U1.53 6.04,23.61 6.04,24.5 v1(6.45,24.91)
  Bottom w0.15: J1.17 2.84,10 2.84,12.01 3.44,12.61 4.84,12.61 6.24,14.01 6.24,22.41 6.04,22.61 6.04,24.5 v1(6.45,24.91)
PC12: length 22.6
  Top w0.15: U1.54 4.64,21.51 v1(4.64,21.21) 4.64,20.41 5.84,19.21 5.84,10.81 v1(6.04,10.61)
  Bottom w0.15: v1(6.04,10.61) 6.04,6.01 5.04,5.01 2.93,5.01 J1.19
PC13: length 25.8
  Top w0.15: U1.2 11.57,19.73 11.57,20.13 11.84,20.4 11.84,21.41 v1(12.24,21.81)
  Bottom w0.15: v1(12.24,21.81) 12.44,22.01 14.67,22.01 16.94,19.75 16.94,6.14 J1.28
PC14: length 6
  Top w0.15: v1(11.84,17.41) 13.04,18.61 13.04,18.97 U1.3 ; v1(11.84,14.91) 11.84,14.51 SW2.1
  Bottom w0.15: v1(11.84,14.91) v1(11.84,17.41)
PD2: length 15.9
  Top w0.15: U1.55 6.56,22.73 v1(6.56,23.5)
  Bottom w0.15: v1(6.56,23.5) 6.56,16.98 7.04,16.51 7.04,13.41 5.12,11.49 4.04,11.49
USB_D+: length 23.6
  Top w0.2: U3.6 7.14,42.01 8.14,43.01 9.07,43.01 9.71,43.65 ; v1(3.89,29.78) 3.89,29.58 3.61,29.3 3.61,28.43 4.44,27.6 U1.46 ; 7.34,38.61 7.42,38.61 7.74,38.29 v1(7.74,37.8)
  Top w0.25: 7.34,38.61 7.14,38.81 7.14,41.21 ; 10.69,44.43 10.69,45.4 10.61,45.47 9.76,45.47 9.69,45.4 9.69,43.85 9.71,43.83 9.71,43.65
  Bottom w0.2: v1(7.74,37.8) 7.86,37.67 7.86,37.25 5.47,34.85 5.47,31.25 3.98,29.77
USB_D-: length 21.2
  Top w0.2: U3.4 9.04,42.35 10.16,43.48 ; v1(8.44,37.8) 8.44,38.29 8.76,38.61 8.84,38.61 ; v1(4.4,29.26) 4.2,29.26 4.06,29.12 4.06,28.62 4.76,27.92 U1.45
  Top w0.25: 9.04,41.21 9.04,38.81 8.84,38.61 ; 10.19,44.43 10.19,43.85 10.16,43.83 10.16,43.48 10.26,43.38 11.16,43.38 11.19,43.4 11.19,44.43
  Bottom w0.2: v1(8.44,37.8) 8.31,37.67 8.31,37.07 5.87,34.62 5.87,31.02 4.3,29.45
Net-(C4-Pad1): length 6.6
  Top w0.15: C4.1 15.24,13.86 15.24,14.75 Y1.3 ; 15.52,18.38 R23.1 15.32,18.3 ; 15.52,18.14 15.94,17.72 15.94,13.92 15.53,13.51
Net-(C39-Pad2): length 1.5
  Top w0.25: 10.64,37.91 10.64,36.53 R1.2
Net-(C40-Pad1): length 5
  Top w0.4: F1.1 12.44,39.39 13.55,40.5 13.83,40.5 U4.3
  Top w0.5: C40.1 14.34,41.46 U4.3
Net-(D1-Pad1): length 3.6
  Top w0.25: 10.54,42.61 10.64,42.61 v1(10.94,42.31)
  Top w0.5: F2.2 10.94,39.61 v1(10.94,39.91)
  Bottom w0.5: v1(10.94,42.31) v1(10.94,39.91)
Net-(J8-Pad11): length 6.2
  Top w0.15: 13.18,4.05 13.18,5.16 13.86,5.84 14.96,5.84 15.45,5.35 15.45,3.94 R24.2
Net-(JP1-Pad2): length 1.3
  Top w0.15: JP1.2 3.81,46.47
Net-(LED1-Pad1): length 1.6
  Top w0.15: LED1.1 3.84,49.34 R28.1
Net-(LED2-Pad1): length 1.6
  Top w0.15: R26.1 17.65,49.45 17.14,48.94 LED2.1

## Copper pours and planes (outline as drawn; the poured copper is in the pictures)
+3V3 on Top: 17.94,40.1 17.94,34.1 16,34.1 16,37.45 12.05,37.45 12.04,38.71 13.43,38.7 13.45,40.08
GNDD on In1.Cu, In2.Cu: 21,51 21,0 0,0 0,51

## Text on the board
User.Comments: COMP7OUT | OPAMP6OUT_DAC3CH1 | COMP7+ | OPAMP4OUT_DAC4CH1 | OPAMP5OUT_DAC4CH2 | COMP6+ | COMP5OUT | COMP4OUT | COMP3OUT | COMP6OUT | COMP5+ | SPI3 MISO | ADC12 CH14 | HRTIM C1 | HRTIM C2 | HRTIM D1 | HRTIM D2 | HRTIM F1 | HRTIM F2 | HRTIM E1 | HRTIM E2 | HRTIM A1 | HRTIM A2 | PB4 | PC12 | PB11 | PB12 | GND | PB13 | PB14 | PB15 | PC6 | PC7 | PC8 | PC9 | PA8 | PA9 | PA10 | PC10 | PC11 | VIN | VBAT | PB1 | +3.3V | PC4 | PA6 | PA5 | PB0 | PA1 | PA0 | PC3 | PC2 | PC1 | PC0 | PC13 | PB9 | ADC3 IN1 | SPI3 CS2 | DAC2OUT | LED BUILTIN | COMP4+ | ADC12 CH2 | ADC12 CH1 | ADC12 CH9 | ADC12 CH8 | ADC12 CH7 | ADC12 CH6 | FDCAN STB | FDCAN TX | COMP2OUT | COMP1OUT | COMP1+ | COMP3+ | DAC1OUT | OPAMP3OUT_DAC3CH2 | PB5 | SPI3 MOSI | PB6 | UART1 TX | PB7 | UART1 RX | PB8 | FDCAN RX
F.Silkscreen: C7 | A9 | C8 | C6 | C9 | A8 | C10 | A10 | C11 | GND | C12 | B13 | B14 | B15 | B12 | B11 | B10 | B2 | C5 | A7 | A4 | A13 | A14 | A15 | D2 | B3 | A2 | VBAT | B1 | 3.3V | C4 | A6 | C0 | C13 | C1 | VIN | C3 | C2 | A0 | A1 | A5 | B4 | A3 | B5 | B6 | B7 | B8 | B9 | LED
